# KiCad board ILI9341_ESP32_V1.kicad_pcb (continued)
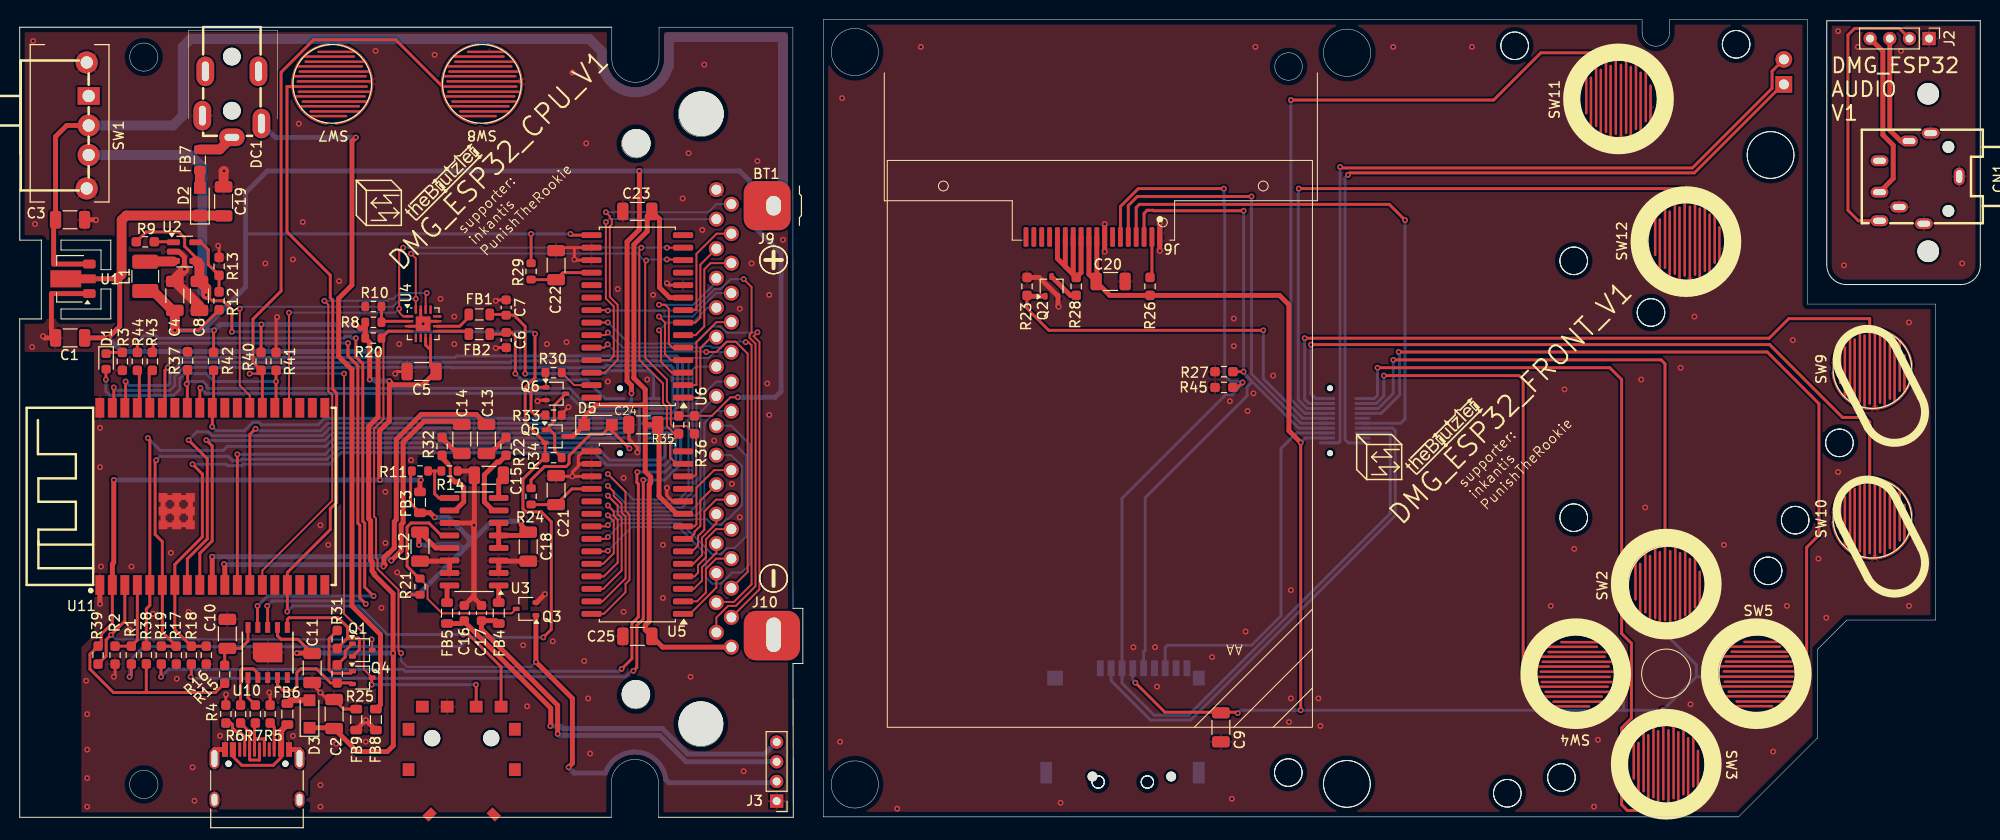
[diagram p0: board, top side]
## Routing (per net, layer and track width the routed paths; a pad name or vN(x,y) marks a point on that pad's centre or on a via; arc(x,y) is an arc through that point) (continued)
Net-(C13-Pad2): length 2.7
  Top w0.5: R22.1 47.78,36.96 C13.2
Net-(C14-Pad2): length 2.7
  Top w0.5: C14.2 44.48,36.96 42.92,38.52 R32.1
Net-(D1-K): length 1.7
  Top w0.3: R3.1 8.9,47.23 D1.1
Net-(D2-A): length 1.8
  Top w1: FB7.2 D2.2
Net-(D3-A): length 2.4
  Top w0.6: FB6.2 27.53,11.89 D3.2
Net-(DC1-Pad2): length 3.8
  Top w1: FB7.1 20.32,67.85 DC1.2
Net-(FB6-Pad1): length 9.9
  Top w0.3: J1.A4 21.66,6.18 22.56,5.28 25.76,5.28 26.56,6.08 J1.A9
  Top w0.6: FB6.1 26.56,8.79 J1.A9
Net-(J1-CC1): length 4
  Top w0.3: R4.2 21.46,9.58 21.62,9.42 21.62,9.08 21.96,8.74 22.3,8.74 22.86,8.18 J1.A5
Net-(J1-CC2): length 2.9
  Top w0.3: R5.1 25.86,9.16 J1.B5
Net-(J1-D+-PadA6): length 4.8
  Top w0.3: J1.B6 24.86,7.96 23.94,7.96 23.86,7.88 ; R7.1 23.86,9.49 23.86,7.88 ; 23.86,7.88 J1.A6
Net-(J1-D--PadA7): length 6.2
  Top w0.3: J1.A7 24.36,5.81 23.43,5.81 23.36,5.88 J1.B7 23.36,8.66 R6.2
Net-(J1-SHIELD): length 6.8
  Top w0.5: J1.S1 19.79,6.89 J1.A1 ; FB9.1 34.2,8.91 v1(35.16,9.88) 36.17,8.87 FB8.1 ; J1.A12 28.43,6.89 J1.S1
  vias: v1(20.36,8.28) v1(27.76,8.28) v1(32.16,7.48)
Net-(J2-Pin_1):
  vias: v1(184.76,79.88) v1(185.36,56.08) v1(186.76,78.28) v1(191.16,77.88) v1(197.36,56.28)
Net-(J2-Pin_2): length 28.4
  Top w0.3: CN1.6 186.83,60.61 185.76,61.68 185.76,79.48 186.43,80.15 190.98,80.15 J2.2
Net-(J2-Pin_3): length 11.7
  Top w0.5: J2.3 190.01,69.83 191.13,68.71 CN1.3
Net-(J2-Pin_4): length 17.2
  Top w0.5: J2.4 189.31,77.83 189.31,69.33 190.36,68.28 190.36,64.91 CN1.2
Net-(J6-Pin_2): length 4.2
  Top w0.3: J6.2 115.04,55.05 R26.1
Net-(J6-Pin_11): length 18
  Top w0.5: J6.14 105.44,56.76 R28.2 ; J6.11 107.84,55.35 R28.2 ; R28.2 106.24,55.96 J6.13 ; R28.2 107.04,55.16 J6.12
Net-(Q1-B): length 2.8
  Top w0.3: R25.2 33.08,16.3 33.08,16.9 Q1.1
Net-(Q2-C): length 3.3
  Top w0.5: R28.1 106.76,53.03 Q2.3
Net-(Q3-C): length 23
  Top w0.2: R21.2 41.45,23.49 41.45,22.2 42.92,20.72 50,20.72 Q3.3
  Top w0.3: U3.12 42.84,28.63 41.58,29.9 39.76,29.9 39.36,29.49 39.36,25.5 40.6,24.26 R21.2
Net-(Q4-B): length 6.9
  Top w0.3: R31.2 31.43,18.15 31.43,14.98 31.77,14.64 33.61,14.64 Q4.1
Net-(Q6-B): length 6.8
  Top w0.2: Q6.1 53.48,45.12 R30.2
  Top w0.3: Q6.1 52.37,43.69 51.96,43.28 51.96,41.28 52.38,40.86 R33.1
Net-(U2-EN): length 2
  Top w0.3: U2.1 15.57,58.48 R9.1
Net-(U2-FB): length 6.3
  Top w0.3: R12.2 R13.1 19.16,56.16 19.16,57.68 18.41,58.43 U2.5
Net-(U2-SW): length 2.9
  Top w1: L1.1 12.79,56.48 15.62,56.48
Net-(U3-+OUT_L): length 1.7
  Top w0.5: FB4.1 U3.1
Net-(U3-+OUT_R): length 1.8
  Top w0.5: FB5.1 43.42,23.3 U3.16
Net-(U3-INL): length 7.6
  Top w0.5: R22.2 48.75,36.1 48.52,36.1 47.22,34.8 47.22,32.04 48.09,31.17 U3.7
Net-(U3-INR): length 7.7
  Top w0.3: 43.88,34.4 43.75,34.54 43.75,35.69 43.56,35.87
  Top w0.5: U3.10 44.25,31.17 45.12,32.04 45.12,33.52 44.56,34.08 44.21,34.08 43.88,34.4 ; R32.2 42.92,36.51 43.56,35.87
Net-(U3-MODE): length 5.3
  Top w0.3: U3.9 42.59,32.44 42.16,32.88 42.16,35.19 ; R14.1 42.16,35.19 ; 42.16,35.19 R11.2
Net-(U3-PVDDL): length 46.5
  Top w0.3: FB3.2 39.72,31.89 39.72,35.06 R11.1 ; R21.1 39.63,22.61 v1(39.56,22.68)
  Top w0.5: FB3.2 41.7,30.94 v1(42.16,30.48) ; v1(50.96,30.08) 50.96,29.68 C18.1 51.33,28.63 U3.5 ; U3.6 U3.5 ; U3.5 U3.4 ; v1(40.56,27.68) 40.56,28.86 C12.1 42.28,27.36 U3.13
  Bottom w0.5: 44.66,26.78 45.66,27.78 ; 44.66,26.78 40.56,22.68 v1(39.56,22.68) ; 44.66,26.78 44.86,26.98 44.86,27.38 ; 45.66,27.78 45.96,28.08 ; 45.66,27.78 45.66,28.38 ; 45.66,27.78 45.26,27.38 44.86,27.38 ; 45.36,28.68 45.66,28.38 ; 45.36,28.68 45.96,28.08 ; 45.36,28.68 43.56,30.48 v1(42.16,30.48) ; 45.66,28.38 46.06,28.38 46.16,28.28 ; 46.16,28.28 45.96,28.08 ; 46.16,28.28 47.96,30.08 v1(50.96,30.08) ; 44.86,27.38 44.56,27.68 v1(40.56,27.68)
Net-(U3-VREF): length 2.5
  Top w0.5: U3.8 48.67,34.27 C15.1
Net-(U4-GAIN_SLOT): length 4.4
  Top w0.3: U4.2 36.86,50.39 R8.2 R10.1
Net-(U4-OUTN): length 3.9
  Top w0.3: U4.10 44.71,49.89 45.63,50.82 FB1.1
Net-(U4-OUTP): length 3.3
  Top w0.3: U4.9 45.33,49.39 FB2.1
Net-(U5-~{RESET}): length 6.8
  Top w0.3: U5.18 56.1,33.37 C21.2 51.98,31.77 R24.2
Net-(U6-GPA6): length 3.6
  Top w0.2: R30.1 56.34,43.91 U6.27
Net-(U6-~{RESET}): length 6.4
  Top w0.3: U6.18 55.21,55.34 C22.2 51.98,54.63 R29.2
Net-(U10-RXD): length 65.1
  Top w0.3: R44.2 11.96,48.27 v1(11.96,48.28) ; U10.9 24.16,19.33 v1(24.16,21.48) ; v1(34.16,48.68) 34.16,46.78 34.86,46.08 34.86,30.08 35.06,29.88 35.06,23.38 v1(35.96,22.48)
  Bottom w0.3: v1(34.16,48.68) 33.78,48.68 33.63,48.83 33.09,48.83 32.94,48.68 14.08,48.68 13.83,48.93 12.61,48.93 v1(11.96,48.28) ; v1(24.16,21.48) 25.16,22.48 v1(35.96,22.48)
Net-(U10-TXD): length 60.7
  Top w0.3: v1(33.36,48.18) 33.36,46.88 34.36,45.88 34.36,29.88 34.56,29.68 34.56,22.28 v1(35.16,21.68) ; R43.2 13.56,47.32 v1(13.56,48.28) ; v1(25.16,21.48) 25.2,21.44 U10.8
  Bottom w0.3: v1(35.16,21.68) 34.86,21.98 25.66,21.98 v1(25.16,21.48) ; v1(33.36,48.18) 13.66,48.18 v1(13.56,48.28)
Net-(U10-V3): length 5.6
  Top w0.3: U10.10 23.2,17.91 22.44,17.16 C10.1 20.83,16.89 R15.1

## Copper pours and planes (outline as drawn; the poured copper is in the pictures)
GND on Top: 40.66,21.05 40.66,36.55 51.66,36.55 51.66,21.05
GND on Top, Bottom: -0.19,0.04 0.06,80.29 78.56,80.29 78.56,0.04
/FRONT_BUTTONS/F_GND on Top, Bottom: 81.56,81.08 181.96,81.08 181.96,52.28 194.56,52.28 194.56,19.88 185.76,19.88 182.76,16.88 182.76,-0.32 81.56,-0.32
Net-(J1-SHIELD) on Top, Bottom: 19.56,11.29 36.81,11.29 36.81,8.54 34.06,8.54 29.31,3.79 29.31,0.79 19.56,0.79
Net-(J2-Pin_1) on Top, Bottom: 199.36,81.08 199.36,54.08 183.61,54.08 183.61,81.08

## Text on the board
F.Silkscreen: supporter: / inkantis / PunishTheRookie | AA | DMG_ESP32 / AUDIO / V1 | DMG_ESP32_CPU_V1 | DMG_ESP32_FRONT_V1
